# Altium PCB PCB1.PcbDoc (part 2 of 2)
Units mm, origin at the board's own origin, x right, y up, seen from the top; angles counter-clockwise.
Board outline 100 x 70 mm, 2 copper layers (Top Layer, Bottom Layer); 166 components, 102 nets, 560 pads, 388 vias.
Unrouted connection lines stored in the file: 318.
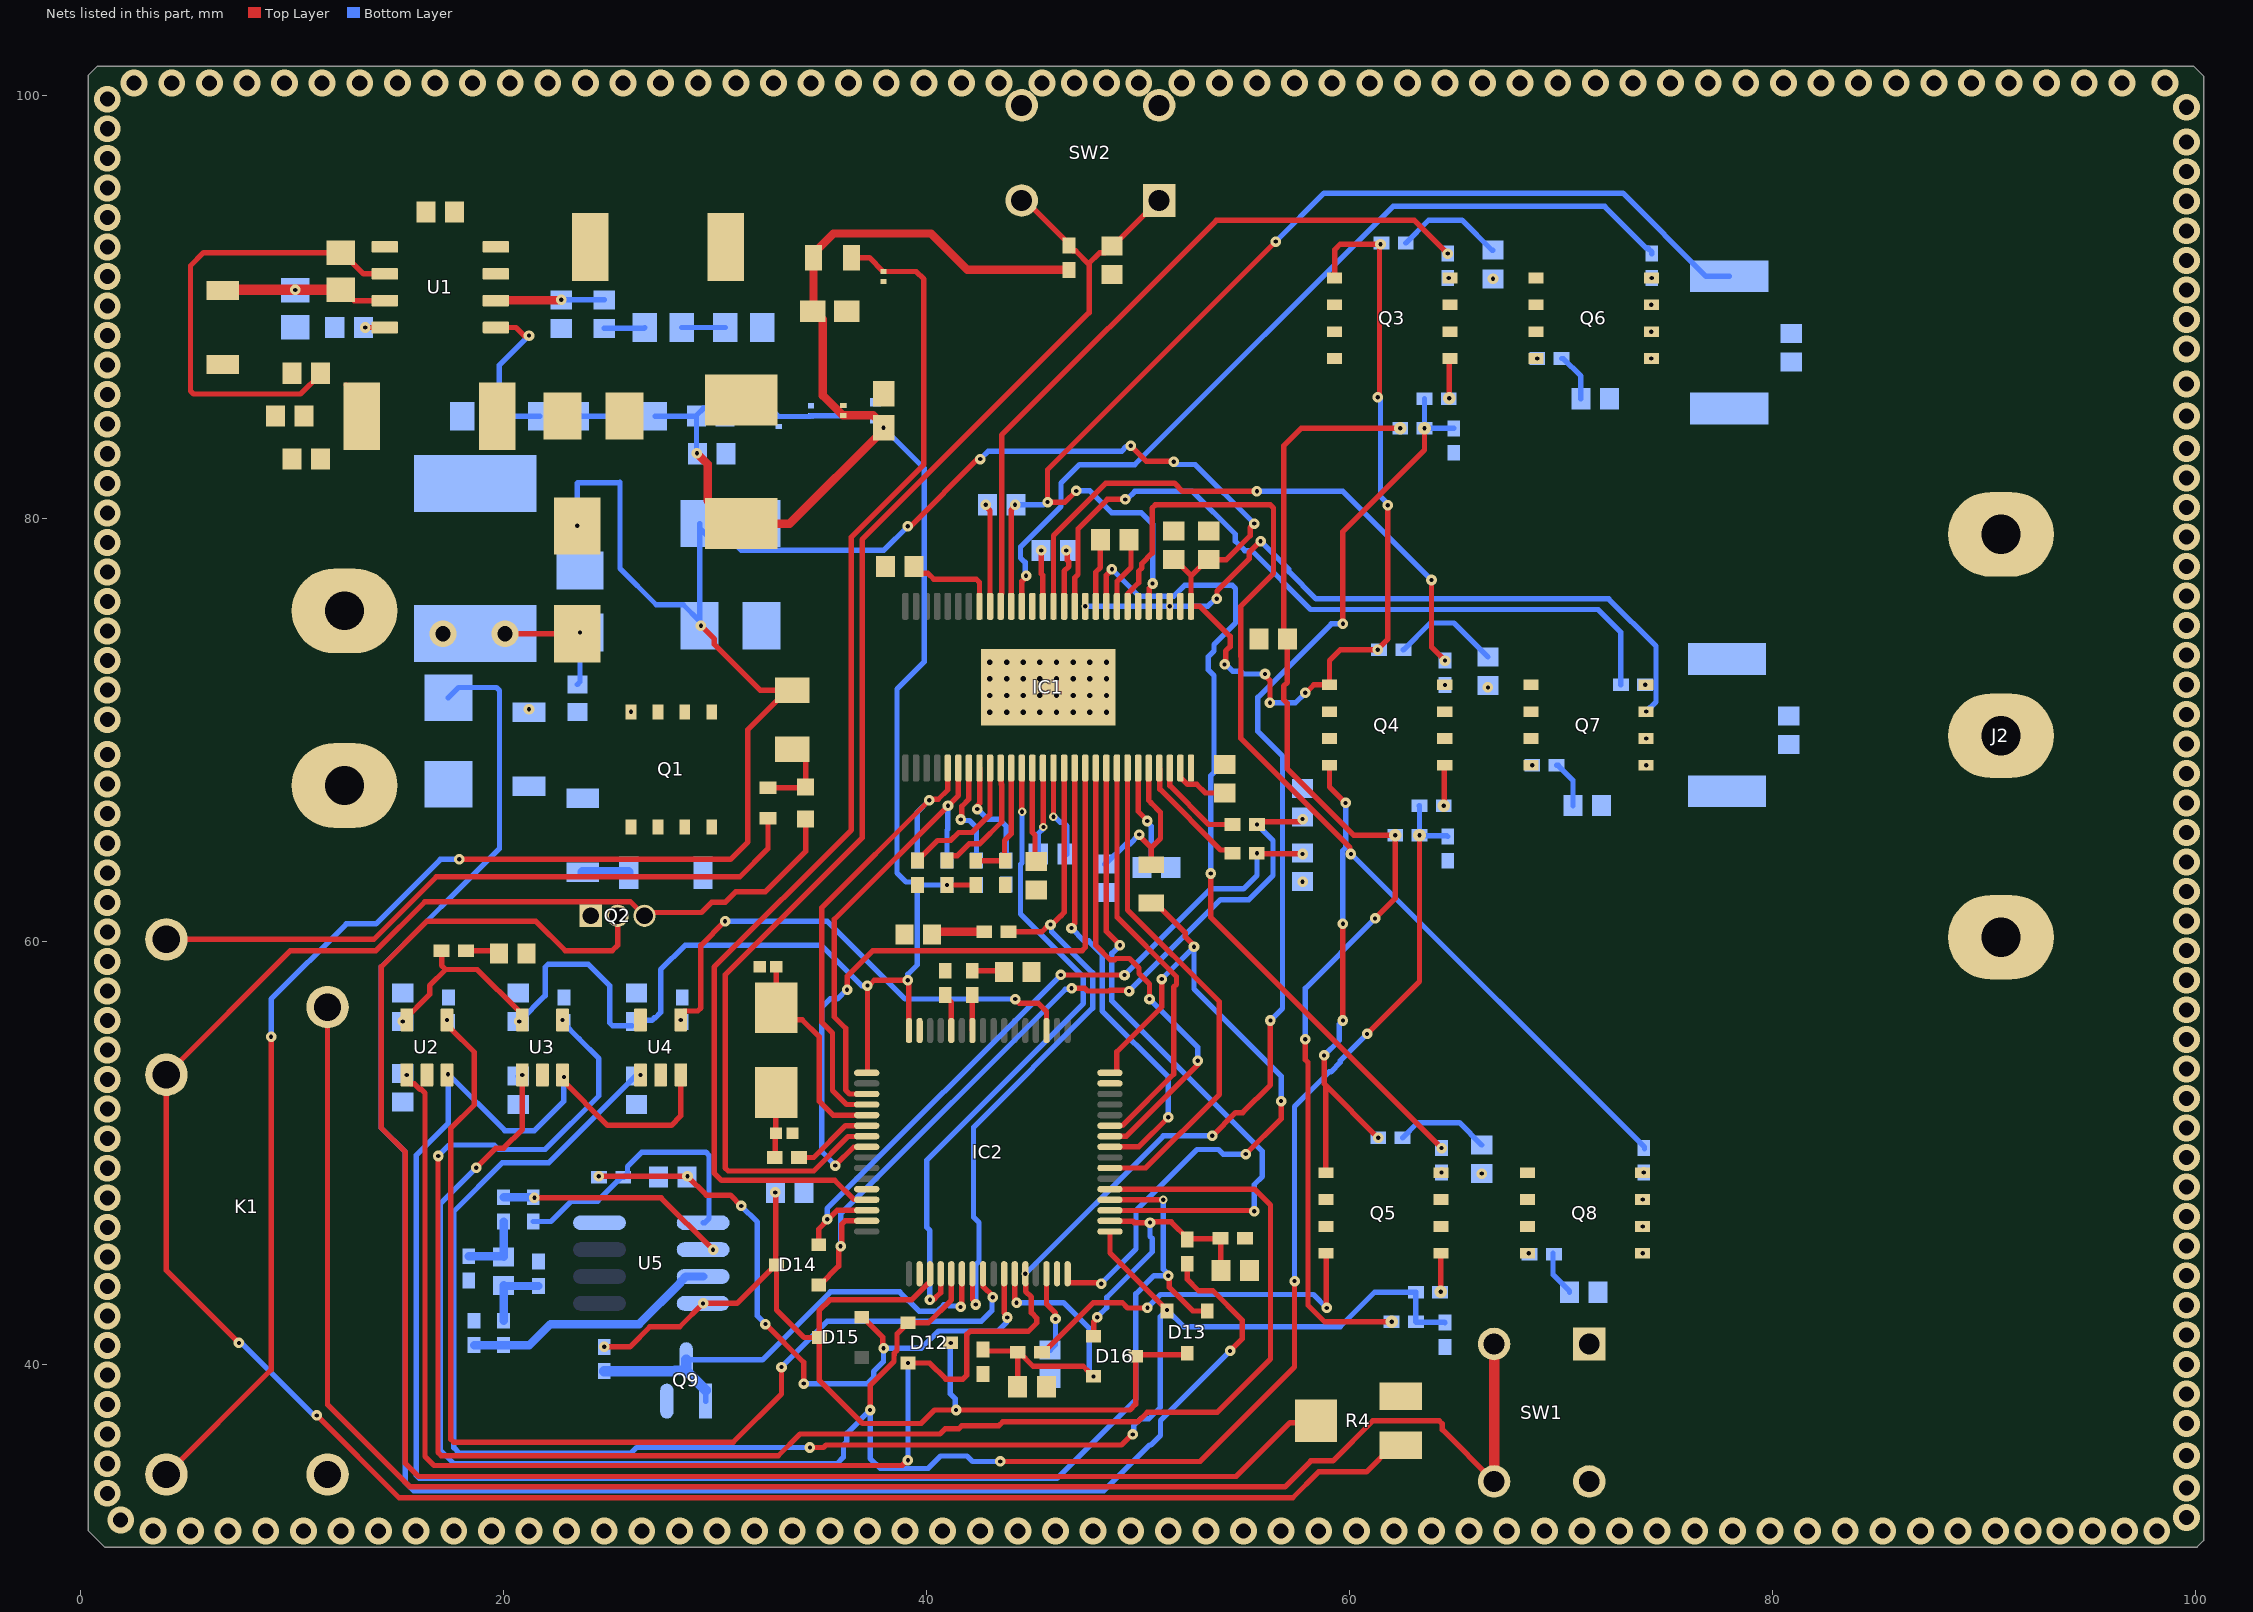
[diagram p2: the nets of this part, all layers, seen from the top]

## Via types
v1: diameter 1.27, hole 0.711, Top Layer to Bottom Layer, tented both sides, 209 vias
v2: diameter 0.5, hole 0.2, Top Layer to Bottom Layer, tented both sides, 163 vias
v3: diameter 0.6, hole 0.2, Top Layer to Bottom Layer, tented both sides, 8 vias
v4: diameter 0.4, hole 0.2, Top Layer to Bottom Layer, tented both sides, 4 vias
v5: diameter 0.35, hole 0.2, Top Layer to Bottom Layer, tented both sides, 3 vias
v6: diameter 0.5, hole 0.2, Top Layer to Bottom Layer, tented top, 1 vias

## Nets (pads, with @x,y where several pads share a name; then routed paths per layer and width w, separated by ;. In a path a pad name is that pad's centre, name@x,y a point inside that pad or via, vN(x,y) a via of type N, cw(c..) or ccw(c..) an arc to the next point about the centre after c; other vN are vias at no path point)
+12: D1.2 F1.1 J1.2 | length 91
  Top Layer w0.254: 52.324,44.764 52.324,44.032 52.872,43.484 53.544,43.484 54.924,42.104 54.924,41.208 v2(54.356,40.64)
  Bottom Layer w0.254: D1.2@17.399,71.526 17.882,72.009 19.663,72.009 19.812,71.86 19.812,64.391 14.224,58.803 14.224,51.181 15.367,50.038 15.367,34.417 15.748,34.036 48.387,34.036 50.546,36.195 50.612,36.195 51.064,36.647 51.064,37.348 v2(54.356,40.64)
Buck_BOOT: C13.2 U1.1
Buck_FB: R12.1 R13.2 U1.5 | length 8.1
  Top Layer w0.254: U1.5@19.643,89.027 20.591,89.027 20.972,88.646 v2(21.209,88.646)
  Bottom Layer w0.254: v2(21.209,88.646) 19.798,87.235 R13.2@19.798,84.836 R12.1@21.731,84.836
Buck_PH: C13.1 D11.1 L2.1 U1.8
COMP: C5.2 C6.2 U1.6 | length 5.1
  Top Layer w0.254: U1.6@19.643,90.297 U1.6@19.663,90.317 ; v2@22.713,90.317 v2(22.733,90.337)
  Top Layer w0.4: U1.6@19.663,90.317 v2@22.713,90.317
  Bottom Layer w0.254: v2(22.733,90.337) C5.2@24.765,90.337
DC_CAL: IC1.12 IC2.20 | length 31.1
  Top Layer w0.254: v2(40.165,43.064) 40.212,43.111 40.39,43.111 40.676,43.397 IC2.20@40.676,44.288 ; IC1.12@44.508,68.199 44.514,68.193 44.514,66.137 v4(44.519,66.131)
  Bottom Layer w0.254: v2(40.165,43.064) 40.165,46.326 40.017,46.474 40.017,49.669 47.422,57.074 47.422,58.329 44.45,61.302 44.45,63.646 44.519,63.715 v4(44.519,66.131)
GDR_EN: D8.1 IC1.16 IC2.23 | length 32.6
  Top Layer w0.254: IC2.23@42.176,44.288 42.176,43.061 42.336,42.902 v2(42.336,42.835) ; D8.1@43.882,60.452 45.453,60.452 45.801,60.799 45.934,60.799 46.322,61.187 46.328,61.187 46.508,61.367 IC1.16@46.508,68.199
  Bottom Layer w0.254: v2(42.336,42.835) 42.336,44.729 42.484,44.877 42.484,46.705 42.224,46.965 42.224,51.209 47.858,56.843 47.858,58.516 45.913,60.461 45.913,60.753 v2(45.867,60.799)
GH_A: IC1.47 R17.2 | length 34.1
  Top Layer w0.254: IC1.47@43.508,75.844 43.534,75.87 43.534,76.433 43.555,76.454 43.555,83.941 53.705,94.091 63.075,94.091 v2(64.643,92.523)
GH_B: IC1.42 R18.2 | length 28.2
  Top Layer w0.254: IC1.42@46.008,75.844 46.008,79.194 48.481,81.667 51.722,81.667 52.109,81.28 v2(55.626,81.28) ; v2(63.881,77.089) 63.881,73.914 v2(64.516,73.279)
  Bottom Layer w0.254: v2(55.626,81.28) 59.69,81.28 v2(63.881,77.089)
GH_C: IC1.37 R19.2 | length 40.2
  Top Layer w0.254: IC1.37@48.508,75.844 48.508,77.325 48.768,77.585 v2(48.768,77.597) ; v2(53.446,63.211) 53.446,61.14 v2(64.354,50.231)
  Bottom Layer w0.254: v2(48.768,77.597) 50.038,76.327 51.694,76.327 52.202,76.835 54.461,76.835 54.61,76.686 54.61,75.057 53.594,74.041 53.594,73.736 53.33,73.472 53.33,72.832 53.594,72.568 53.594,67.997 53.446,67.849 v2(53.446,63.211)
GL_A: IC1.45 R23.2 | length 41.1
  Top Layer w0.254: IC1.45@44.508,75.844 44.508,77.023 44.71,77.225 v2(44.71,77.291)
  Bottom Layer w0.254: v2(44.71,77.291) 44.664,77.338 44.664,77.922 44.45,78.136 44.45,78.654 46.361,80.565 46.361,81.667 47.234,82.54 49.85,82.54 62.062,94.752 72.066,94.752 74.047,92.771 74.122,92.771 74.295,92.598 R23.2@74.295,92.523
GL_B: IC1.40 R24.2 | length 35.6
  Top Layer w0.254: IC1.40@47.008,75.844 47.015,75.852 47.015,77.202 47.165,77.351 47.165,79.511 48.553,80.899 v2(49.403,80.899)
  Bottom Layer w0.254: v2(49.403,80.899) 49.47,80.899 49.851,81.28 52.578,81.28 54.6,79.258 54.6,78.928 55.052,78.476 55.382,78.476 58.166,75.692 71.755,75.692 72.831,74.616 R24.2@72.831,72.136
GL_C: IC1.35 R25.2 | length 49.9
  Top Layer w0.254: IC1.35@49.508,75.844 49.533,75.87 49.533,76.457 50.038,76.962 50.038,77.514 50.186,77.663 50.186,77.872 50.673,78.359 50.673,80.496 50.822,80.645 56.259,80.645 56.408,80.496 56.408,77.404 54.864,75.86 54.864,73.482 54.874,73.472 54.874,72.832 54.864,72.822 54.864,69.596 60.024,64.436 60.024,64.182 v2(60.071,64.135)
  Bottom Layer w0.254: v2(60.071,64.135) 60.086,64.135 73.949,50.272 R25.2@73.949,50.197
MOTOR_U: C22.1 C32.1 IC1.46 J2.1 Q3.1 Q3.2 Q3.3 Q6.5 Q6.6 Q6.7 Q6.8 R20.2 R39.2 | length 1.9
  Top Layer w0.254: v3@64.696,85.656 v3(64.721,85.681) 64.721,87.537 Q3.1@64.745,87.561
  other v2: 68.88,87.561 66.788,91.331
MOTOR_V: C23.1 C34.1 IC1.41 J2.2 Q4.1 Q4.2 Q4.3 Q7.5 Q7.6 Q7.7 Q7.8 R21.2 R41.2 | length 4.7
  Top Layer w0.254: IC1.41@46.508,75.844 46.508,77.507 46.736,77.734 46.736,77.945 46.656,78.025 46.656,78.439 v2(46.609,78.486) ; v3(64.456,66.421) 64.481,66.445 64.481,68.302 Q4.1@64.505,68.326
  other v2: 68.64,68.326 66.548,72.009
MOTOR_W: C24.1 C36.1 IC1.36 J2.3 Q5.1 Q5.2 Q5.3 Q8.5 Q8.6 Q8.7 Q8.8 R22.2 R43.2 | length 5.3
  Top Layer w0.254: IC1.36@49.008,75.844 49.008,77.022 49.674,77.688 49.674,78.89 C36.1@49.57,78.994 ; v3@64.288,43.416 v3(64.313,43.441) 64.313,45.23 Q5.1@64.337,45.255
  other v2: 68.472,45.255
  other v6: 66.253,49.025
NetC1_1: C1.1 F1.2 L1.1 R1.2 R58.2 | length 6.1
  Top Layer w0.254: v1(20.066,74.549) L1.1@23.495,74.549 23.558,74.549 v2(23.622,74.613)
  Bottom Layer w0.254: R1.2@23.495,72.151 23.622,72.278 v2(23.622,74.613)
  other v1: 17.145,74.549
NetC2_1: C2.1 C3.1 C4.1 C39.2 C40.2 D9.2 IC1.29 K1.5 L1.2 Q3.5 Q3.6 Q3.7 Q3.8 Q4.5 Q4.6 Q4.7 Q4.8 Q5.5 Q5.6 Q5.7 Q5.8 R2.2 R14.2 R15.2 R16.2 R59.2 | length 197.4
  Top Layer w0.254: K1.5@4.064,34.798 9.017,39.751 v2(9.017,55.499) ; v2(17.907,63.881) 30.734,63.881 31.556,64.703 31.556,70.011 R2.2@33.43,71.885 ; v2(29.337,74.93) 29.972,74.295 29.972,74.041 32.128,71.885 R2.2@33.43,71.885 ; R2.2@33.528,72.012 33.528,71.983 R2.2@33.43,71.885 ; v2(39.116,79.629) 39.243,79.629 42.418,82.804 v2(42.545,82.804) ; R59.2@45.465,40.57 45.54,40.57 47.894,42.924 49.257,42.924 49.509,42.672 50.436,42.672 v2(50.449,42.685) ; v2(49.657,83.439) 50.398,82.698 51.668,82.698 v2(51.689,82.677) ; C40.2@51.696,78.054 51.746,78.054 52.508,77.292 ; v2(54.096,73.1) 54.143,73.147 54.143,73.722 54.356,73.935 54.356,74.422 52.934,75.844 IC1.29@52.508,75.844 52.508,77.292 ; v2(55.499,79.756) 55.305,79.562 55.305,79.181 54.178,78.054 53.297,78.054 52.534,77.292 52.508,77.292 ; v2(56.007,72.644) 56.007,72.577 56.241,72.344 v2(56.241,71.281) ; v2(57.912,71.755) 57.933,71.755 58.314,72.136 Q4.5@59.055,72.136 59.055,73.279 59.563,73.787 v2(61.341,73.787) 61.341,73.825 61.815,74.299 v2(61.815,80.625) ; v2(58.801,54.61) 58.801,53.275 58.887,53.189 ; Q5.8@58.887,45.255 58.908,45.234 58.908,42.692 v2(58.928,42.672) ; Q5.5@58.887,49.065 58.887,53.189 ; Q4.8@59.055,68.326 59.055,67.31 v2(59.817,66.548) ; Q3.5@59.295,91.371 59.309,91.385 59.309,92.71 59.563,92.964 v2(61.468,92.964) 61.421,92.917 61.421,85.805 v2(61.341,85.725) ; v2(59.69,56.261) v2(59.69,60.833) ; v2(61.36,50.716) 58.887,53.189
  Bottom Layer w0.254: v2(9.017,55.499) 9.017,57.277 12.573,60.833 13.97,60.833 17.018,63.881 v2(17.907,63.881) ; v2(23.495,79.649) 23.495,81.661 23.518,81.684 25.49,81.684 25.513,81.707 25.513,77.631 27.226,75.918 28.501,75.918 C4.1@29.274,75.145 ; C3.1@29.274,79.756 C3.1@29.274,79.541 ; v2(29.337,74.93) 29.337,75.082 C4.1@29.274,75.145 ; v2(39.116,79.629) 37.991,78.504 31.237,78.504 30.973,78.768 30.047,78.768 C3.1@29.274,79.541 ; v2(42.545,82.804) 42.926,83.185 49.236,83.185 49.443,83.392 49.61,83.392 v2(49.657,83.439) ; v2(50.449,42.685) 51.071,43.307 58.293,43.307 v2(58.928,42.672) ; v2(51.689,82.677) 51.816,82.55 52.705,82.55 v2(55.499,79.756) ; v2(54.096,73.1) 54.163,73.1 54.479,72.784 54.851,72.784 54.991,72.644 v2(56.007,72.644) ; v2(56.241,71.281) 57.438,71.281 v2(57.912,71.755) ; v2(58.801,54.61) 59.519,55.328 59.519,56.09 v2(59.69,56.261) ; v2(59.69,60.833) 59.684,60.839 59.684,64.295 59.817,64.428 v2(59.817,66.548) ; v2(61.341,73.787) R15.2@61.401,73.787 ; v2(61.341,85.725) 61.468,85.598 61.468,81.039 61.815,80.691 v2(61.815,80.625) ; v2(61.468,92.964) 61.514,93.01 R14.2@61.514,93.022 ; C4.1@29.274,75.145 C3.1@29.274,79.541
NetC5_1: C5.1 R8.2 | length 1.9
  Bottom Layer w0.254: C5.1@24.765,88.987 26.644,88.987 R8.2@26.684,89.027
NetC7_2: C7.2 C8.2 C9.2 D9.1 R7.2 U1.2 | length 24.2
  Top Layer w0.254: C7.2@11.343,86.868 11.343,86.818 10.406,85.881 5.356,85.881 5.207,86.03 5.207,91.948 5.828,92.569 R7.2@12.319,92.569 12.419,92.569 12.867,92.121 12.867,92.087 13.387,91.567 U1.2@14.393,91.567 ; D9.1@12.572,86.309 13.305,85.576 D9.1@13.305,84.836
NetC10_2: C10.2 U1.4 | length 0.9
  Top Layer w0.254: v2(13.462,89.027) U1.4@14.393,89.027
NetC11_1: C11.1 C14.1 C15.1 C16.1 C17.1 C18.1 C19.1 C20.1 C21.1 C44.2 C46.2 C48.2 C52.2 D6.1 D12.3 D13.3 D14.3 D15.3 D16.3 FB1.1 FB2.1 IC2.1 IC2.19 IC2.32 IC2.48 IC2.64 L2.2 R11.2 R28.1 R29.1 R31.1 R34.1 R57.2 R62.2 U2.5 U3.5 U4.5 U5.4 | length 208.6
  Top Layer w0.254: U2.5@15.223,56.204 v2(15.24,56.221) 16.51,57.491 16.51,57.912 17.272,58.674 ; D6.1@17.06,59.581 D6.1@17.078,59.563 17.078,58.868 17.272,58.674 ; v2(20.751,56.221) 20.751,56.684 18.761,58.674 17.272,58.674 ; v2(24.765,40.834) 25.975,40.834 26.924,41.783 28.337,41.783 v2(29.442,42.888) 31.043,42.888 32.859,44.704 D14.3@32.909,44.704 32.909,42.576 34.21,41.275 D15.3@34.941,41.275 ; v2(32.853,48.133) 32.881,48.105 D14.3@32.881,44.732 ; IC2.1@37.176,53.788 37.19,53.788 37.211,53.809 v2(37.211,57.912) 37.278,57.912 37.532,58.166 v2(39.116,58.166) 39.167,58.115 39.167,55.797 IC2.64@39.176,55.788 ; IC2.19@40.176,44.288 40.176,43.85 40.155,43.829 40.073,43.829 39.297,43.053 35.433,43.053 34.925,42.545 34.925,41.291 D15.3@34.941,41.275 ; v2(40.97,62.671) 40.973,62.668 42.325,62.668 R31.1@42.328,62.665 ; IC2.32@46.676,44.288 46.676,43.883 46.697,43.862 48.213,43.862 v2(48.26,43.815) ; IC2.48@48.676,53.788 48.978,53.788 48.999,53.809 48.999,54.782 51.126,56.909 v2(51.126,58.221) ; FB2.1@50.622,61.827 50.822,61.827 52.241,60.408 52.241,60.22 52.65,59.811 v2(52.65,59.745) ; D13.3@52.324,40.529 52.253,40.458 49.967,40.458 D16.3@49.895,40.386 49.895,38.122 49.619,37.846 40.386,37.846 39.751,37.211 36.979,37.211 34.925,39.265 34.925,41.259 D15.3@34.941,41.275 ; v2(55.098,49.945) 56.769,51.616 v2(56.769,52.451)
  Top Layer w0.4: v2(29.15,83.078) 29.654,82.574 29.654,80.835 30.734,79.756 L2.2@31.242,79.756 33.539,79.756 37.973,84.19 v2(37.973,84.288) 37.973,84.386 37.49,84.869 C19.1@36.068,84.869 36.047,84.869 35.108,85.808 35.108,89.41 34.729,89.789 C11.1@34.631,89.789 34.66,89.818 FB1.1@34.66,92.329 34.66,92.529 35.603,93.472 40.221,93.472 41.939,91.754 R62.2@46.736,91.754
  Bottom Layer w0.254: C46.2@20.701,56.221 v2(20.751,56.221) 21.971,57.441 21.971,58.779 22.12,58.928 24.003,58.928 25.019,57.912 25.019,56.156 25.168,56.007 C48.2@26.075,56.007 ; C48.2@26.289,56.221 26.341,56.273 27.021,56.273 27.137,56.388 27.178,56.388 27.432,56.642 27.432,58.666 28.583,59.817 35.031,59.817 36.936,57.912 v2(37.211,57.912) ; R11.2@27.164,84.836 C15.1@29.13,84.836 29.13,83.098 v2(29.15,83.078) C14.1@29.17,83.058 ; C15.1@29.13,84.856 29.13,84.88 29.453,85.203 29.744,85.203 29.893,85.351 29.893,85.393 29.973,85.473 32.345,85.473 32.999,84.82 34.49,84.82 34.523,84.852 C20.1@34.544,84.852 36.03,84.852 36.047,84.869 C18.1@36.068,84.869 ; C17.1@37.592,84.69 37.973,84.309 v2(37.973,84.288) 39.888,82.373 39.888,73.216 38.608,71.936 38.608,63.246 39.041,62.813 39.431,62.813 R29.1@39.573,62.671 ; v2(39.116,58.166) 39.116,58.441 39.573,58.898 R29.1@39.573,62.671 ; v2(40.97,62.671) R29.1@39.573,62.671 ; v2(41.148,41.021) 41.132,41.005 41.132,38.604 41.355,38.381 41.355,37.893 v2(41.402,37.846) ; v2(48.26,43.815) 49.911,45.466 49.911,47.283 52.793,50.165 53.802,50.165 54.022,49.945 v2(55.098,49.945) ; v2(51.126,58.221) v2(52.65,59.745) 52.65,57.753 56.769,53.635 v2(56.769,52.451)
NetC12_1: C12.1 FB1.2 IC2.13 | length 57.9
  Top Layer w0.254: FB1.2@36.46,92.329 37.3,92.329 37.952,91.678 C12.1@37.973,91.678 39.513,91.678 39.878,91.313 39.878,82.55 36.449,79.121 36.449,65.278 29.962,58.791 29.962,49.061 30.316,48.707 35.665,48.707 36.575,47.797 37.167,47.797 IC2.13@37.176,47.788
NetC22_2: C22.2 R14.1 | length 5.2
  Bottom Layer w0.254: R14.1@62.664,93.022 63.749,94.107 65.313,94.107 66.738,92.681 C22.2@66.788,92.681
NetC23_2: C23.2 R15.1 | length 5.2
  Bottom Layer w0.254: R15.1@62.551,73.787 63.821,75.057 64.937,75.057 C23.2@66.548,73.446
NetC24_2: C24.2 R16.1 | length 4.5
  Bottom Layer w0.254: R16.1@62.51,50.716 63.229,51.435 65.193,51.435 C24.2@66.253,50.375
NetC25_2: C25.2 R20.1 | length 2.3
  Bottom Layer w0.254: R20.1@70.03,87.561 70.105,87.561 70.939,86.727 C25.2@70.939,85.656
NetC26_2: C26.2 R21.1 | length 2.3
  Bottom Layer w0.254: R21.1@69.79,68.326 69.865,68.326 70.572,67.619 C26.2@70.572,66.421
NetC27_2: C27.2 R22.1 | length 2.2
  Bottom Layer w0.254: R22.1@69.622,45.255 69.622,44.248 70.404,43.466 C27.2@70.404,43.416
NetC30_1: C30.1 IC1.49 | length 4.5
  Top Layer w0.254: C30.1@39.41,77.724 39.73,77.404 40.071,77.404 40.349,77.126 42.359,77.126 42.508,76.977 IC1.49@42.508,75.844
NetC31_2: C31.2 IC1.13 | length 4.5
  Top Layer w0.254: IC1.13@45.008,68.199 45.008,65.152 45.135,65.025 45.135,63.834 C31.2@45.195,63.774
NetC32_2: C32.2 IC1.48 | length 4.9
  Top Layer w0.254: v2(42.799,80.645) 42.799,80.578 43.008,80.369 IC1.48@43.008,75.844
NetC33_1: C33.1 IC1.14 | length 4.2
  Top Layer w0.254: IC1.14@45.508,68.199 45.519,68.188 45.519,65.422 v4(45.53,65.411)
  Bottom Layer w0.254: C33.1@45.286,64.13 45.286,65.1 45.53,65.345 v4(45.53,65.411)
NetC33_2: C33.2 IC1.15 | length 4.4
  Top Layer w0.254: v4(46.005,65.891) 46.008,65.894 IC1.15@46.008,68.199
  Bottom Layer w0.254: v4(46.005,65.891) 46.072,65.891 46.333,65.629 46.456,65.629 46.636,65.45 C33.2@46.636,64.13
NetC34_2: C34.2 IC1.43 | length 2.7
  Top Layer w0.254: v2(45.426,78.486) 45.426,77.391 45.508,77.309 IC1.43@45.508,75.844
NetC35_2: C35.2 IC1.23 | length 5.1
  Top Layer w0.254: IC1.23@50.008,68.199 50.008,66.156 50.441,65.723 v2(50.441,65.697)
  Bottom Layer w0.254: C35.2@50.201,63.489 50.201,63.539 50.629,63.967 50.629,65.442 50.441,65.63 v2(50.441,65.697)
NetC36_2: C36.2 IC1.38 | length 3.2
  Top Layer w0.254: IC1.38@48.008,75.844 48.006,75.846 48.006,77.47 48.22,77.684 C36.2@48.22,78.994
NetC37_1: C37.1 FB2.2 IC1.24 | length 8
  Top Layer w0.254: v2(50.057,65.054) 50.057,65.005 50.622,64.439 FB2.2@50.622,63.627 ; IC1.24@50.508,68.199 50.508,66.675 50.635,66.548 50.635,66.535 51.064,66.106 51.064,64.868 50.635,64.439
  Bottom Layer w0.254: C37.1@48.423,63.656 48.473,63.656 49.411,64.594 49.596,64.594 v2(50.057,65.054)
NetC38_1: C38.1 IC1.27 | length 2.9
  Top Layer w0.254: IC1.27@52.008,68.199 52.008,67.716 52.033,67.691 52.08,67.691 52.344,67.427 52.78,67.427 53.191,67.016 C38.1@54.102,67.016
NetC41_1: C41.1 D14.2 IC2.14 R36.1 | length 34
  Top Layer w0.254: D14.2@34.909,45.654 34.909,46.399 35.306,46.796 v2(35.306,46.863) 35.348,46.863 35.773,47.288 IC2.14@37.176,47.288 ; v2(46.355,58.42) 46.36,58.415 49.359,58.415 v2(49.363,58.411) ; R36.1@55.62,64.175 v2(55.63,64.165) 55.639,64.155 57.765,64.155 v2(57.785,64.135)
  Bottom Layer w0.254: v2(35.306,46.863) 35.306,47.371 v2(46.355,58.42) ; v2(49.363,58.411) 53.436,62.484 54.991,62.484 55.63,63.123 v2(55.63,64.165)
NetC42_1: C42.1 D14.1 IC2.15 R37.1 | length 38.4
  Top Layer w0.254: D14.1@34.909,43.754 34.959,43.754 35.852,44.647 35.852,45.504 v2(35.941,45.593) 36.001,45.653 36.001,46.639 36.15,46.788 IC2.15@37.176,46.788 ; v2(46.863,57.785) 47.494,57.785 47.621,57.658 48.646,57.658 48.687,57.699 49.535,57.699 v2(49.582,57.652) ; v2(55.626,65.532) 55.753,65.659 57.658,65.659 v2(57.785,65.786)
  Bottom Layer w0.254: v2(35.941,45.593) 35.941,47.117 46.562,57.738 46.816,57.738 v2(46.863,57.785) ; v2(49.582,57.652) 53.906,61.976 55.245,61.976 56.388,63.119 56.388,64.77 v2(55.626,65.532) ; v2(57.785,65.786) C42.1@57.785,65.873
NetC43_1: C43.1 D13.1 IC2.36 R38.1 R40.1 R42.1 U2.3 U3.3 U4.3 | length 144.3
  Top Layer w0.254: U3.3@22.794,53.691 22.794,53.441 24.927,51.308 27.94,51.308 28.382,51.75 U4.3@28.382,53.691 ; IC2.36@48.676,47.788 v4(51.199,47.786) ; v2(51.435,44.196) 51.482,44.149 51.482,43.641 52.594,42.529 D13.1@53.274,42.529 ; v2(57.912,55.372) 57.912,54.407 58.039,54.28 58.039,42.799 58.819,42.019 v3(61.995,42.019) ; v2(61.214,61.087) 62.163,62.036 v3(62.163,65.024) 60.198,65.024 57.063,68.159 57.063,71.258 56.886,71.435 56.886,72.075 57.063,72.252 C43.1@57.063,74.295 56.896,74.462 56.896,83.439 57.716,84.259 v3(62.403,84.259)
  Bottom Layer w0.254: v2(22.86,53.594) 22.86,52.451 21.463,51.054 20.066,51.054 17.399,53.721 v2(17.383,53.721) 17.383,51.395 15.875,49.887 15.875,34.763 16.024,34.614 46.171,34.614 49.9,38.343 49.9,43.335 50.761,44.196 v2(51.435,44.196) 51.435,44.263 51.199,44.499 v4(51.199,47.786) ; v2(57.912,55.372) 57.912,57.785 v2(61.214,61.087)
NetC45_2: C45.2 D12.2 IC2.28 R38.2 R39.1 R44.2 U2.1 | length 110.9
  Top Layer w0.254: v2(15.433,53.691) 15.433,53.441 15.606,53.268 15.797,53.268 15.946,53.119 15.946,53.114 16.056,53.004 16.12,53.004 16.291,52.833 16.291,35.652 16.722,35.221 38.852,35.221 39.097,35.466 v2(39.124,35.466) ; v2(39.132,40.071) 40.155,40.071 40.922,39.304 41.722,39.304 41.91,39.492 41.91,41.421 42.059,41.57 44.821,41.57 45.224,41.973 45.224,42.183 44.958,42.449 44.958,43.18 44.691,43.447 44.691,43.79 44.685,43.797 44.685,44.262 IC2.28@44.667,44.279 ; v2(53.519,50.812) 54.613,51.906 54.954,51.906 56.261,53.213 v2(56.261,56.261) ; v2(59.69,75.016) 59.69,79.375 63.55,83.235 v3(63.55,84.263)
  Bottom Layer w0.254: v2(39.124,35.466) 39.128,35.47 39.128,40.067 v2(39.132,40.071) ; v5(44.676,44.288) 51.2,50.812 v2(53.519,50.812) ; v2(56.261,56.261) 56.833,56.833 56.833,68.77 55.668,69.935 55.668,71.543 59.141,75.016 v2(59.69,75.016) ; R39.1@63.546,85.656 63.55,85.653 v3(63.55,84.263) R38.2@63.553,84.259 63.556,84.257 64.932,84.257 R44.2@64.935,84.255
NetC47_2: C47.2 D12.1 IC2.21 R40.2 R41.1 R45.2 U3.1 | length 105.8
  Top Layer w0.254: v2(18.713,49.296) 19.643,50.227 20.011,50.227 20.894,51.11 v2(20.894,53.691) ; v2(37.338,37.846) 37.338,39.01 38.467,40.139 38.467,40.439 38.478,40.449 38.478,40.536 38.608,40.666 38.608,41.447 38.909,41.748 38.909,41.798 39.082,41.971 D12.1@39.132,41.971 40.089,41.971 41.176,43.058 IC2.21@41.176,44.288 ; v2(43.486,35.415) 52.941,35.415 57.404,39.878 v2(57.404,43.942) ; v2(60.833,55.626) 63.313,58.106 v3(63.313,65.024)
  Bottom Layer w0.254: v2(18.713,49.296) 17.018,47.602 17.018,35.941 17.653,35.306 35.763,35.306 36.078,35.621 36.078,36.205 36.235,36.362 36.235,36.743 v2(37.338,37.846) 37.338,35.56 37.819,35.079 40.078,35.079 40.674,35.675 41.917,35.675 42.177,35.415 v2(43.486,35.415) ; C47.2@20.701,53.634 20.837,53.634 v2(20.894,53.691) ; v2(57.404,43.942) 57.404,52.197 59.045,53.838 59.121,53.838 59.573,54.29 59.573,54.366 v2(60.833,55.626) ; R41.1@63.306,66.421 63.309,66.417 63.309,65.028 v3(63.313,65.024) 63.343,64.994 64.613,64.994 R45.2@64.643,64.964
NetC49_2: C49.2 D13.2 IC2.33 R42.2 R43.1 R46.2 U4.1 | length 82.5
  Top Layer w0.254: v2(34.492,36.074) 35.129,36.074 35.25,36.195 49.225,36.195 49.722,36.693 v2(49.75,36.693) ; IC2.33@48.676,46.288 48.676,45.277 v2(51.374,42.579) D13.2@51.374,42.529
  Bottom Layer w0.254: v2(26.482,53.691) 26.296,53.691 22.135,49.53 19.939,49.53 17.653,47.244 17.653,36.068 17.907,35.814 26.036,35.814 26.296,36.074 v2(34.492,36.074) ; v2(49.75,36.693) 49.797,36.74 49.797,37.107 50.12,37.43 50.511,37.43 51.054,37.973 51.054,42.259 v2(51.374,42.579) 52.17,41.783 59.563,41.783 61.196,43.416 R43.1@63.138,43.416 63.142,43.413 63.142,42.023 R42.2@63.145,42.019 63.166,41.998 64.495,41.998 R46.2@64.516,41.977
NetC50_1: C50.1 R54.2 R55.1 | length 3.3
  Bottom Layer w0.4: R55.1@20.007,42.066 C50.1@20.007,43.737 20.034,43.71 R54.2@21.658,43.71
NetC50_2: C50.2 R51.2 R52.1 | length 3.3
  Bottom Layer w0.4: R51.2@18.356,45.114 19.98,45.114 C50.2@20.007,45.087 R52.1@20.007,46.758
NetC51_2: C51.2 D15.2 IC2.26 R53.2 | length 32.6
  Top Layer w0.254: v2(24.511,48.895) v2(28.702,48.895) 29.591,48.006 30.734,48.006 v2(31.242,47.498) ; v2(32.385,41.91) 32.391,41.91 34.197,40.104 v2(34.197,39.096) ; D15.2@36.941,42.225 36.991,42.225 37.926,41.29 37.926,40.814 v2(37.973,40.767) ; IC2.26@43.676,44.288 43.676,42.434 43.823,42.288 v2(43.823,42.221)
  Bottom Layer w0.254: C51.2@28.683,48.857 28.683,48.876 v2(28.702,48.895) ; v2(31.242,47.498) 32.004,46.736 32.004,42.291 v2(32.385,41.91) ; v2(34.197,39.096) 37.204,39.096 37.501,39.392 37.501,39.66 37.973,40.132 v2(37.973,40.767) 39.751,40.767 40.568,41.584 43.38,41.584 43.776,41.98 43.776,42.174 v2(43.823,42.221)
NetC53_2: C53.2 D16.1 IC2.34 R58.1 R60.2 | length 13.7
  Top Layer w0.254: D16.1@47.895,41.336 47.916,41.357 47.916,42.015 48.071,42.17 v2(48.071,42.236) ; IC2.34@48.685,46.779 49.758,46.779 49.829,46.708 v2(50.571,46.708) ; v2@50.571,46.74 51.573,46.74 52.354,45.959 52.354,45.944 53.878,45.944 R60.2@53.908,45.974 53.908,44.477 C53.2@53.935,44.45
  Bottom Layer w0.254: v2(48.071,42.236) 48.524,42.689 48.524,43.174 50.679,45.329 50.679,45.95 50.571,46.058 v2(50.571,46.708)
NetC54_2: C54.2 D16.2 IC2.27 R59.1 R61.2 | length 15.1
  Top Layer w0.254: R61.2@42.672,40.707 42.74,40.639 44.322,40.639 45.043,39.917 47.414,39.917 47.672,39.659 47.672,39.609 47.845,39.436 v2(47.895,39.436) ; IC2.27@44.176,44.288 44.176,43.074 44.261,42.989 v2(44.261,42.922) ; C54.2@44.315,38.945 R59.1@44.315,40.57
  Bottom Layer w0.254: v2(44.261,42.922) 44.265,42.926 46.482,42.926 47.701,41.707 47.701,39.63 v2(47.895,39.436)
NetC56_1: C56.1 R63.2 Y1.1 | length 3.1
  Top Layer w0.254: R63.2@32.826,49.784 32.855,49.813 32.855,50.898 C56.1@32.884,50.927 32.884,52.855 Y1.1@32.893,52.864
NetC58_1: C58.1 IC2.30 | length 3.9
  Top Layer w0.254: IC2.30@45.676,44.288 45.676,42.854 46.101,42.429 v2(46.101,42.154)
  Bottom Layer w0.254: C58.1@45.847,40.68 46.101,40.934 v2(46.101,42.154)
NetD2_1: D2.1 D3.2 | length 2.2
  Bottom Layer w0.254: D2.1@25.908,63.271 D2.1@25.933,63.246
  Bottom Layer w0.5: D3.2@23.749,63.271 D2.1@25.908,63.271
NetD3_1: D3.1 D4.2
NetD4_1: D4.1 Q1.4 R1.1
  other v2: 26.035,70.855 21.209,70.978
NetD5_1: D5.1 K1.4 Q2.3 R4.3 | length 109.8
  Top Layer w0.254: v2(7.493,41.021) 4.064,44.45 K1.4@4.064,53.698 9.929,59.563 13.97,59.563 16.283,61.876 26.008,61.876 Q2.3@26.67,61.214 26.822,61.366 29.362,61.366 29.845,61.849 30.48,61.849 30.988,62.357 32.385,62.357 34.29,64.262 D5.1@34.29,65.798 ; v2(11.176,37.592) 15.07,33.698 57.32,33.698 58.547,34.925 60.807,34.925 62.07,36.188 R4.3@62.42,36.188
  Bottom Layer w0.254: v2(7.493,41.021) 7.62,41.021 11.049,37.592 v2(11.176,37.592)
NetD5_2: D5.2 DS1.1 R2.1 | length 3.9
  Top Layer w0.254: DS1.1@32.512,67.273 34.265,67.273 D5.2@34.29,67.298 34.29,68.612 33.817,69.085 R2.1@33.655,69.085
NetD6_2: D6.2 R3.2 | length 1.6
  Top Layer w0.254: D6.2@18.228,59.563 19.67,59.563 R3.2@19.797,59.436
NetD7_1: D7.1 IC2.58 | length 1.7
  Top Layer w0.254: D7.1@42.164,57.464 42.17,57.458 42.17,55.794 IC2.58@42.176,55.788
NetD7_2: D7.2 R5.2 | length 1.5
  Top Layer w0.254: D7.2@42.164,58.614 43.606,58.614 R5.2@43.673,58.547
NetD8_2: D8.2 R6.2 | length 2.5
  Top Layer w0.4: R6.2@40.274,60.325 40.401,60.452 D8.2@42.732,60.452
NetD10_1: D10.1 R7.1 R9.2 U1.3 | length 7.9
  Top Layer w0.254: D10.1@6.731,90.78 D10.1@6.77,90.819 ; R7.1@12.319,90.819 12.419,90.819 12.941,90.297 U1.3@14.393,90.297
  Top Layer w0.5: D10.1@6.77,90.819 R7.1@12.319,90.819
  other v2: 10.16,90.805
NetDS1_2: DS1.2 K1.3 | length 31.7
  Top Layer w0.254: K1.3@4.064,60.098 13.87,60.098 16.823,63.051 31.174,63.051 32.512,64.389 DS1.2@32.512,65.823
NetK1_2: K1.2 SW1.3 SW1.4 | length 84.7
  Top Layer w0.254: K1.2@11.684,56.898 11.684,38.1 15.573,34.211 56.944,34.211 58.176,35.443 59.212,35.443 61.107,37.338 64.24,37.338 64.389,37.189 64.389,36.918 SW1.4@66.838,34.469
  Top Layer w0.5: SW1.4@66.838,34.469 SW1.3@66.838,40.969
NetQ2_2: Q2.2 R4.2 | length 82.5
  Top Layer w0.254: Q2.2@25.4,61.214 25.4,59.817 25.146,59.563 22.924,59.563 21.526,60.96 16.383,60.96 14.224,58.801 14.224,51.181 15.367,50.038 15.367,35.323 15.984,34.705 54.644,34.705 57.188,37.249 58.331,37.249 R4.2@58.42,37.338
NetQ3_4: Q3.4 R17.1
  other v2: 64.696,91.371
NetQ4_4: Q4.4 R18.1
  other v2: 64.516,72.129
NetQ5_4: Q5.4 R19.1
  other v2: 64.354,49.081
NetQ6_4: Q6.4 R23.1
  other v2: 74.295,91.373
NetQ7_4: Q7.4 R24.1
  other v2: 73.981,72.136
NetQ8_4: Q8.4 R25.1
  other v2: 73.914,49.082
NetQ9_1: IC2.22 Q9.1 Q9.3 R57.1 | length 22.6
  Top Layer w0.254: v2(41.615,42.719) 41.615,42.785 41.676,42.846 IC2.22@41.676,44.288
  Bottom Layer w0.254: Q9.3@28.643,40.221 32.246,40.221 35.459,43.434 38.735,43.434 39.648,42.521 40.521,42.521 40.819,42.818 41.029,42.818 41.082,42.766 41.568,42.766 v2(41.615,42.719) ; Q9.1@29.558,38.268 Q9.1@29.558,38.784
  Bottom Layer w0.5: R57.1@24.765,39.684 28.106,39.684 28.133,39.711 28.585,39.711 28.643,39.77 Q9.3@28.643,40.221 ; Q9.3@28.643,39.699 Q9.1@29.558,38.784
NetR8_1: R8.1 R10.2 | length 2.1
  Bottom Layer w0.254: R8.1@28.434,89.027 R10.2@30.494,89.027
NetR11_1: R11.1 R12.2 | length 1.9
  Bottom Layer w0.254: R12.2@23.481,84.836 R11.1@25.414,84.836
NetR28_2: IC1.6 IC2.3 R28.2 | length 21.6
  Top Layer w0.254: IC2.3@37.176,52.788 36.366,52.788 36.179,52.975 36.179,55.896 35.641,56.434 35.641,61.041 41.508,66.908 IC1.6@41.508,68.199
  Bottom Layer w0.254: R28.2@40.97,63.821 40.97,65.26 41.015,65.305 41.015,66.415 v2(41.021,66.421)
NetR29_2: IC1.5 IC2.4 R29.2 | length 23.1
  Top Layer w0.254: IC2.4@37.176,52.288 36.231,52.288 35.56,52.959 35.56,55.664 35.052,56.172 35.052,61.595 40.179,66.722 40.56,66.722 41.008,67.171 IC1.5@41.008,68.199
  Bottom Layer w0.254: R29.2@39.573,63.821 39.573,66.116 v2(40.132,66.675)
NetR30_2: IC1.7 R30.2 | length 5.1
  Top Layer w0.254: v2(41.622,65.766) 41.669,65.813 41.669,66.39 42.008,66.729 IC1.7@42.008,68.199
  Bottom Layer w0.254: v2(41.622,65.766) 41.669,65.719 42.032,65.719 42.367,65.383 R30.2@42.367,63.821
NetR31_2: IC1.11 R31.2 R35.1 | length 5.9
  Top Layer w0.254: R31.2@42.328,63.815 R35.1@43.725,63.815 43.688,63.852 43.688,64.77 44.008,65.09 IC1.11@44.008,68.199
NetR32_2: IC1.8 R32.2 | length 5.3
  Top Layer w0.254: v2(42.405,66.26) 42.452,66.307 42.452,66.472 42.512,66.532 42.512,67.017 ; 42.513,67.018 IC1.8@42.513,68.194
  Bottom Layer w0.254: v2(42.405,66.26) 42.885,65.781 43.439,65.781 43.78,65.44 R32.2@43.78,63.834
NetR33_2: IC1.9 R33.2 | length 6.6
  Top Layer w0.254: R33.2@39.573,63.821 39.573,63.896 39.746,64.069 39.821,64.069 40.522,64.77 41.148,64.77 41.529,65.151 42.164,65.151 43.008,65.995 IC1.9@43.008,68.199
NetR34_2: IC1.10 R34.2 | length 5.9
  Top Layer w0.254: R34.2@40.97,63.821 40.97,63.874 41.143,64.047 41.45,64.047 42.026,64.623 42.525,64.623 43.561,65.659 43.561,67.41 43.534,67.437 43.534,68.174 IC1.10@43.508,68.199
NetR47_2: IC2.24 R47.2 U2.4 | length 51.8
  Top Layer w0.254: v2(17.333,56.291) 17.333,56.041 17.506,55.868 17.523,55.868 18.622,54.77 18.622,52.277 17.506,51.161 17.506,36.471 17.655,36.322 30.861,36.322 33.147,38.608 v2(33.147,39.878) ; IC2.24@42.676,44.288 42.685,44.279 42.685,43.682 43.138,43.229 v2(43.138,43.177)
  Bottom Layer w0.254: v2(33.147,39.878) 35.306,42.037 42.589,42.037 43.098,42.546 43.098,43.138 v2(43.138,43.177)
NetR48_2: IC2.37 R48.2 U3.4 | length 83.8
  Top Layer w0.254: v2(16.917,49.857) 16.909,49.849 16.909,35.839 17.065,35.683 32.994,35.683 34.024,36.713 40.642,36.713 40.886,36.957 41.529,36.957 41.676,37.104 43.422,37.104 43.608,37.289 49.989,37.289 50.439,37.739 53.741,37.739 56.267,40.265 56.267,47.531 55.51,48.288 IC2.37@48.676,48.288
  Bottom Layer w0.254: v2(16.917,49.857) 17.434,50.374 19.559,50.374 19.768,50.165 21.971,50.165 24.511,52.705 24.511,54.468 23.585,55.394 22.794,56.185 v2(22.794,56.291)
NetR49_2: IC2.51 R49.2 U4.4 | length 23.8
  Top Layer w0.254: v2(28.382,56.291) 28.382,56.541 28.555,56.714 29.188,56.714 29.337,56.863 29.337,59.817 v2(30.48,60.96) ; v2(44.196,57.277) 44.39,57.083 45.279,57.083 45.676,56.686 IC2.51@45.676,55.788
  Bottom Layer w0.254: v2(30.48,60.96) 35.306,60.96 38.989,57.277 v2(44.196,57.277)
NetR50_1: R50.1 R52.2 U5.2 | length 10.9
  Top Layer w0.254: v2(21.463,47.879) 27.461,47.879 v2(29.914,45.426)
  Bottom Layer w0.4: R52.2@20.007,47.908 R50.1@21.404,47.908
NetR50_2: R50.2 R53.1 U5.1 | length 13.3
  Bottom Layer w0.254: R50.2@21.404,46.758 22.247,46.758 23.21,47.721 24.451,47.721 25.587,48.857 R53.1@25.662,48.857 25.692,48.857 25.865,49.03 25.865,49.36 26.543,50.038 29.569,50.038 29.718,49.889 29.718,46.904 29.512,46.698 U5.1@29.442,46.698
NetR55_2: R55.2 R56.2 U5.3 | length 12.2
  Bottom Layer w0.4: R56.2@18.61,40.916 R55.2@20.007,40.916 21.231,40.916 22.225,41.91 26.416,41.91 28.392,43.886 28.392,43.927 28.623,44.158 U5.3@29.442,44.158
NetR64_2: IC2.60 R64.2 | length 1.8
  Top Layer w0.254: R64.2@40.894,57.464 40.894,57.389 41.176,57.107 IC2.60@41.176,55.788
OSC_IN: C55.1 IC2.5 Y1.2 | length 10.1
  Top Layer w0.254: C55.1@32.902,58.801 32.902,56.873 Y1.2@32.893,56.864 33.458,56.299 34.125,56.299 34.925,55.499 34.925,52.451 35.588,51.788 IC2.5@37.176,51.788
OSC_OUT: IC2.6 R63.1 | length 3.8
  Top Layer w0.254: R63.1@33.976,49.784 34.671,49.784 36.175,51.288 IC2.6@37.176,51.288
PWM1_H: IC1.17 IC2.41 | length 21.9
  Top Layer w0.254: v2(46.857,60.631) 46.857,60.697 47.008,60.848 IC1.17@47.008,68.199 ; IC2.41@48.676,50.288 50.034,50.288 v2(51.435,51.689)
  Bottom Layer w0.254: v2(46.857,60.631) 47.457,60.03 47.666,60.03 48.307,59.389 48.307,56.722 51.435,53.594 v2(51.435,51.689)
PWM1_L: IC1.18 IC2.8 | length 32.1
  Top Layer w0.254: v2(35.687,49.403) 36.563,50.279 37.167,50.279 IC2.8@37.176,50.288 ; v2(36.248,57.72) 36.253,57.725 36.253,58.351 37.465,59.563 47.359,59.563 47.508,59.712 47.508,61.939 IC1.18@47.508,68.199
  Bottom Layer w0.254: v2(35.687,49.403) 35.687,49.421 35.052,50.056 35.052,56.892 35.443,57.282 35.794,57.282 36.231,57.72 v2(36.248,57.72)
PWM2_H: IC1.19 IC2.42 | length 22.2
  Top Layer w0.254: IC1.19@48.008,68.199 48.008,59.815 48.688,59.135 48.899,59.135 48.956,59.192 49.596,59.192 50.048,58.74 50.048,58.486 50.546,57.988 v2(50.546,57.277) ; IC2.42@48.676,50.788 48.685,50.797 49.451,50.797 52.832,54.178 v2(52.832,54.356)
  Bottom Layer w0.254: v2(50.546,57.277) 52.832,54.991 v2(52.832,54.356)
PWM2_L: IC1.20 IC2.35 | length 31.3
  Top Layer w0.254: IC1.20@48.508,68.199 48.508,60.479 49.149,59.838 v2(49.149,59.817) ; IC2.35@48.676,47.288 48.685,47.279 55.464,47.279 v2(55.499,47.244)
  Bottom Layer w0.254: v2(49.149,59.817) 48.77,59.438 48.77,57.187 55.88,50.077 55.88,48.884 55.499,48.503 v2(55.499,47.244)
PWM3_H: IC1.21 IC2.43 | length 19.7
  Top Layer w0.254: IC2.43@48.676,51.288 48.685,51.297 49.265,51.297 51.689,53.721 51.689,57.836 51.826,57.973 51.826,58.332 49.008,61.15 IC1.21@49.008,68.199
PWM3_L: IC1.22 IC2.39 | length 23.8
  Top Layer w0.254: IC2.39@48.676,49.288 50.367,49.288 53.848,52.769 53.848,57.15 49.508,61.49 IC1.22@49.508,68.199
R_SHUNT1_N: C1.2 C2.2 C3.2 C4.2 C6.1 C7.1 C8.1 C9.1 C10.1 C11.2 C12.2 C14.2 C15.2 C16.2 C17.2 C18.2 C19.2 C20.2 C21.2 C27.1 C28.1 C29.1 C30.2 C31.1 C35.1 C37.2 C38.2 C39.1 C40.1 C41.2 C42.2 C43.2 C44.1 C45.1 C46.1 C47.1 C48.1 C49.1 C51.1 C52.1 C53.1 C54.1 C55.2 C56.2 C57.1 C58.2 D1.1 D2.2 D10.2 D11.2 IC1.28 IC1.30 IC1.32 IC1.34 IC1.57 IC2.12 IC2.18 IC2.31 IC2.47 IC2.63 J1.1 K1.1 Q1.1 Q1.2 Q1.3 Q1.5 Q1.6 Q1.7 Q1.8 Q2.1 Q8.1 Q8.2 Q8.3 Q9.2 R3.1 R4.1 R5.1 R6.1 R9.1 R10.1 R13.1 R26.1 R27.1 R30.1 R32.1 R33.1 R35.2 R44.1 R45.1 R46.1 R47.1 R48.1 R49.1 R51.1 R54.1 R56.1 R60.1 R61.1 R64.1 SW1.1 SW1.2 SW2.3 SW2.4 U1.7 U2.2 U3.2 U4.2 U5.8
  other v1: 3.429,32.131 5.207,32.131 6.985,32.131 8.763,32.131 10.541,32.131 12.319,32.131 14.097,32.131 15.875,32.131 17.653,32.131 19.431,32.131 21.209,32.131 22.987,32.131 24.765,32.131 26.543,32.131 28.321,32.131 30.099,32.131 31.877,32.131 33.655,32.131 35.433,32.131 37.211,32.131 38.989,32.131 40.767,32.131 42.545,32.131 44.323,32.131 46.101,32.131 47.879,32.131 49.657,32.131 51.435,32.131 53.213,32.131 54.991,32.131 56.769,32.131 58.547,32.131 60.325,32.131 62.103,32.131 63.881,32.131 65.659,32.131 67.437,32.131 69.215,32.131 70.993,32.131 72.771,32.131 74.549,32.131 76.327,32.131 78.105,32.131 79.883,32.131 81.661,32.131 83.439,32.131 85.217,32.131 86.995,32.131 88.773,32.131 90.551,32.131 92.075,32.131 93.599,32.131 95.123,32.131 96.647,32.131 98.171,32.131 1.905,32.639 99.568,32.766 1.27,33.909 99.568,34.163 1.27,35.306 99.568,35.687 1.27,36.703 99.568,37.211 1.27,38.1 99.568,38.608 1.27,39.497 99.568,40.005 1.27,40.894 99.568,41.402 1.27,42.291 99.568,42.799 1.27,43.688 99.568,44.196 1.27,45.085 99.568,45.593 1.27,46.482 99.568,46.99 1.27,47.879 99.568,48.387 1.27,49.276 99.568,49.784 1.27,50.673 99.568,51.181 1.27,52.07 99.568,52.578 1.27,53.467 99.568,53.975 1.27,54.864 99.568,55.372 1.27,56.261 99.568,56.769 1.27,57.658 99.568,58.166 1.27,59.055 99.568,59.563 1.27,60.452 99.568,60.96 1.27,61.849 99.568,62.357 1.27,63.246 99.568,63.754 1.27,64.643 99.568,65.151 1.27,66.04 99.568,66.548 1.27,67.437 99.568,67.945 1.27,68.834 99.568,69.342 1.27,70.485 99.568,70.739 1.27,71.882 99.568,72.136 1.27,73.279 99.568,73.533 1.27,74.676 99.568,74.93 1.27,76.073 99.568,76.327 1.27,77.47 99.568,77.724 1.27,78.867 99.568,79.121 1.27,80.264 99.568,80.518 1.27,81.661 99.568,81.915 1.27,83.058 99.568,83.312 1.27,84.455 99.568,84.836 1.27,85.852 99.568,86.36 1.27,87.249 99.568,88.011 1.27,88.646 99.568,89.408 1.27,90.043 99.568,90.805 1.27,91.44 99.568,92.202 1.27,92.837 99.568,93.599 1.27,94.234 99.568,94.996 1.27,95.631 99.568,96.393 1.27,97.028 99.568,97.79 1.27,98.425 99.568,99.441 1.27,99.822 2.54,100.584 4.318,100.584 6.096,100.584 7.874,100.584 9.652,100.584 11.43,100.584 13.208,100.584 14.986,100.584 16.764,100.584 18.542,100.584 20.32,100.584 22.098,100.584 23.876,100.584 25.654,100.584 27.432,100.584 29.21,100.584 30.988,100.584 32.766,100.584 34.544,100.584 36.322,100.584 38.1,100.584 39.878,100.584 41.656,100.584 43.434,100.584 45.466,100.584 46.99,100.584 48.514,100.584 50.038,100.584 52.07,100.584 53.848,100.584 55.626,100.584 57.404,100.584 59.182,100.584 60.96,100.584 62.738,100.584 64.516,100.584 66.294,100.584 68.072,100.584 69.85,100.584 71.628,100.584 73.406,100.584 75.184,100.584 76.962,100.584 78.74,100.584 80.518,100.584 82.296,100.584 84.074,100.584 85.852,100.584 87.63,100.584 89.408,100.584 91.186,100.584 92.964,100.584 94.742,100.584 96.52,100.584 98.552,100.584
  other v2: 73.862,45.255 73.862,46.525 73.862,47.795 57.785,62.825
R_SHUNT1_P: C25.1 C28.2 IC1.33 IC1.44 Q6.1 Q6.2 Q6.3 R26.2 | length 57.1
  Top Layer w0.254: 44.008,75.844 44.008,80.397 44.19,80.578 v2(44.19,80.645) ; v2(47.082,81.301) 46.553,80.772 v2(45.726,80.772) 45.726,82.302 v2(56.515,93.091) ; IC1.33@50.508,75.844 50.533,75.87 50.533,76.697 50.694,76.858 v2(50.694,76.924)
  Bottom Layer w0.254: v2(44.19,80.645) 44.236,80.645 45.532,80.645 45.659,80.772 v2(45.726,80.772) ; v2(47.082,81.301) 47.731,81.301 48.768,80.264 50.165,80.264 50.694,79.735 v2(50.694,76.924) ; v2(56.515,93.091) 58.801,95.377 72.93,95.377 76.86,91.447 R26.2@77.964,91.447
  other v2: 74.27,87.561 74.27,88.831 74.27,90.101
R_SHUNT2_P: C26.1 C29.2 IC1.31 IC1.39 Q7.1 Q7.2 Q7.3 R27.2 | length 34
  Top Layer w0.254: v2(53.721,76.2) 53.74,76.219 53.74,76.565 55.257,78.083 55.257,78.387 v2(55.797,78.927)
  Bottom Layer w0.254: v5(47.508,75.844) 53.299,75.844 53.654,76.2 v2(53.721,76.2) ; v2(55.797,78.927) 57.132,77.592 57.132,77.488 58.42,76.2 72.255,76.2 74.493,73.962 74.493,71.329 v2(74.03,70.866)
  other v2: 74.03,68.326 74.03,69.596
  other v5: 51.508,75.844
RST: C57.2 IC2.7 R62.1 SW2.1 SW2.2 | length 66.3
  Top Layer w0.254: IC2.7@37.176,50.788 37.167,50.779 36.301,50.779 34.671,49.149 30.629,49.149 30.48,49.298 30.48,58.42 36.957,64.897 36.957,78.994 47.695,89.732 47.695,92.016 47.056,92.656 46.909,92.656 46.736,92.829 46.736,92.979 44.683,95.032 SW2.2@44.502,95.032 ; 47.669,92.043 48.18,92.554 48.445,92.554 C57.2@48.768,92.877 ; C57.2@48.845,92.904 50.33,94.389 50.359,94.389 SW2.1@51.002,95.032
SO1: IC1.25 R36.2 | length 5.7
  Top Layer w0.254: IC1.25@51.008,68.199 51.033,68.174 51.033,67.204 53.913,64.324 54.32,64.324 R36.2@54.47,64.175
SO2: IC1.26 R37.2 | length 4.6
  Top Layer w0.254: IC1.26@51.508,68.199 51.508,67.364 53.34,65.532 R37.2@54.476,65.532
pads on no net: D15.1 IC1.1 IC1.2 IC1.3 IC1.4 IC1.50 IC1.51 IC1.52 IC1.53 IC1.54 IC1.55 IC1.56 IC1.V IC2.2 IC2.9 IC2.10 IC2.11 IC2.16 IC2.17 IC2.25 IC2.29 IC2.38 IC2.40 IC2.44 IC2.45 IC2.46 IC2.49 IC2.50 IC2.52 IC2.53 IC2.54 IC2.55 IC2.56 IC2.57 IC2.59 IC2.61 IC2.62 U5.5 U5.6 U5.7

## Polygon pours and split planes (outlines as drawn)
R_SHUNT1_N on Top Layer "R_SHUNT1_N_L01_P023" (solid, remove dead copper, pour order 23): 0.381,101.346 0.381,31.369 100.076,31.369 100.402,31.695 100.379,31.718 100.379,100.917 99.928,101.368
Buck_PH on Top Layer "BUCK_PH_L01_P016" (solid, remove dead copper, pour order 16): 33.274,86.868 33.147,86.741 33.147,83.693 29.464,83.693 23.241,89.916 23.241,92.583 25.527,94.869
MOTOR_V on Top Layer "MOTOR_V_L01_P015" (solid, remove dead copper, pour order 15): 98.679,74.519 98.679,65.151 98.552,65.278 65.659,65.278 65.151,65.786 65.913,66.548 65.913,74.646
MOTOR_W on Top Layer "MOTOR_W_L01_P014" (solid, remove dead copper, pour order 14): 98.806,64.77 98.806,54.737 78.486,44.45 88.519,44.45 68.072,44.45 68.072,49.784 68.199,49.784 68.199,51.054 76.962,64.77
MOTOR_U on Top Layer "MOTOR_U_L01_P012" (solid, remove dead copper, pour order 12): 98.679,84.885 98.679,74.93 75.438,74.93 65.405,84.963 72.517,92.075 75.127,92.075
MOTOR_U on Top Layer "MOTOR_U_L01_P011" (solid, remove dead copper, pour order 11): 73.152,92.075 73.025,91.948 73.025,86.868 67.31,86.868 65.405,84.963 64.135,84.963 64.135,90.551 64.262,90.678 65.659,90.678 65.659,91.821 65.913,92.075
MOTOR_V on Top Layer "MOTOR_V_L01_P010" (solid, remove dead copper, pour order 10): 72.898,72.898 72.898,67.564 66.929,67.564 65.151,65.786 63.881,65.786 63.881,71.12 64.135,71.374 65.278,71.374 65.278,72.39 65.659,72.771
MOTOR_W on Top Layer "MOTOR_W_L01_P007" (solid, remove dead copper, pour order 7): 72.771,49.911 72.771,44.45 66.061,42.858 63.719,42.821 63.719,43.721 63.373,44.45 63.373,48.387 64.77,48.387 65.278,48.895 65.278,49.657
NetC7_2 on Top Layer "NETC7_2_L01_P004" (solid, remove dead copper, pour order 4): 14.605,87.63 14.351,87.884 10.668,87.724 10.668,86.106 10.427,85.612 9.892,85.459 9.892,83.804 10.668,83.693 10.668,82.042 12.065,82.042 14.605,83.058
NetC2_1 on Top Layer "NETC2_1_L01_P003" (solid, pour order 3): 30.607,73.533 27.559,73.533 27.559,77.343 27.178,77.724 21.336,78.105 20.447,81.026 18.542,83.312 18.542,86.995 24.257,86.995 24.511,86.741 24.511,82.55 33.147,82.55 32.766,82.55 34.036,80.645 34.036,77.724 31.496,77.724 30.607,76.835
Buck_BOOT on Top Layer "BUCK_BOOT_L01_P002" (solid, pour order 2): 16.886,95.173 16.886,93.789 15.557,93.789 15.113,93.345 15.113,92.202 13.462,92.202 13.639,95.07
Buck_PH on Top Layer "BUCK_PH_L01_P001" (solid, pour order 1): 17.018,95.25 17.018,93.726 18.796,93.726 18.923,93.599 18.923,92.329 21.971,92.329 23.241,91.059 25.908,91.059 25.908,94.488 25.527,94.869
R_SHUNT1_N on Bottom Layer "R_SHUNT1_N_L02_P024" (solid, remove dead copper, pour order 24): 0.381,101.346 0.381,31.369 100.076,31.369 100.457,31.75 100.457,101.346
NetD4_1 on Bottom Layer "NETD4_1_L02_P005" (solid, remove dead copper, pour order 5): 26.692,71.689 26.692,69.977 20.724,69.977 20.088,70.613 20.088,71.821
+12 on Bottom Layer "+12_L02_P022" (solid, remove dead copper, pour order 22): 14.583,70.406 19.05,70.358 19.05,72.644 14.605,72.898 13.843,72.39 12.573,71.628
+12 on Bottom Layer "+12_L02_P021" (solid, remove dead copper, pour order 21): 21.59,83.058 21.463,83.185 15.494,83.185 15.494,83.058 12.573,80.137 12.319,80.391 2.667,80.391 2.667,71.882 2.921,71.628 14.605,71.628 14.605,73.406 15.367,74.168 15.367,76.835 17.78,79.248 21.971,79.248
R_SHUNT1_P on Bottom Layer "R_SHUNT1_P_L02_P009" (solid, remove dead copper, pour order 9): 81.658,88.049 81.661,88.052 81.661,92.456 75.692,92.456 75.184,91.948 75.184,90.678 73.914,90.678 73.533,90.297 73.533,87.249 72.517,87.249 71.628,86.36 71.628,84.201 81.28,84.201 81.661,84.963
R_SHUNT1_N on Bottom Layer "R_SHUNT1_N_L02_P013" (solid, remove dead copper, pour order 13): 74.549,48.514 72.898,48.514 72.898,44.45 71.374,44.45 71.12,44.196 71.12,42.418 72.644,42.418 74.549,44.323
R_SHUNT2_P on Bottom Layer "R_SHUNT2_P_L02_P008" (solid, remove dead copper, pour order 8): 81.915,69.991 81.915,65.913 73.406,65.913 72.644,65.151 71.247,65.151 71.247,67.437 71.374,67.564 73.279,67.564 73.279,71.374 77.216,71.374 77.216,70.612 77.978,69.85
NetD3_1 on Bottom Layer "NETD3_1_L02_P006" (solid, pour order 6): 20.066,66.04 20.066,66.802 20.066,68.326 24.765,68.199 24.892,65.913

## Keep-outs
Keep-Out Layer:
  lines w0.1: 0.762,101.369 99.926,101.369 100.381,100.914 100.381,31.674 100.076,31.369 1.143,31.369 0.381,32.131 0.381,100.965 0.785,101.369

## Silkscreen, mask and mechanical layers (free items; w line width, h text height)
Bottom Overlay:
  text "Mcu Reset" at 43.815,96.774 h1.52
  text "U" at 85.979,80.137 h1.52 r90
  text "V" at 85.979,70.358 h1.52 r90
  text "POWER" at 5.207,69.85 h1.52 r270
  text "GND" at 5.207,62.103 h1.52 r270
  text "W" at 85.852,60.579 h1.52 r90
  text "Role Reset" at 65.532,36.83 h1.52

## Text inside footprints (layer, text, board x,y; h text height)
IC1: Top Overlay "*" at 38.83,67.627 h1.27 r90; Mechanical 13 "*" at 38.83,67.627 h1.27 r90
K1: Top Overlay "*" at 15.113,38.1 h1.27 r180; Mechanical 13 "*" at 12.002,33.935 h1.27 r180